# Altium PCB TOP.PcbDoc (part 2 of 2)
Units mil, origin at the board's own origin, x right, y up, seen from the top; angles counter-clockwise.
Board outline 5000 x 5000 mil, 4 copper layers (Top Layer, Mid-Layer 1, Mid-Layer 2, Bottom Layer); 94 components, 612 nets, 1905 pads, 0 vias.
Unrouted connection lines stored in the file: 1094.
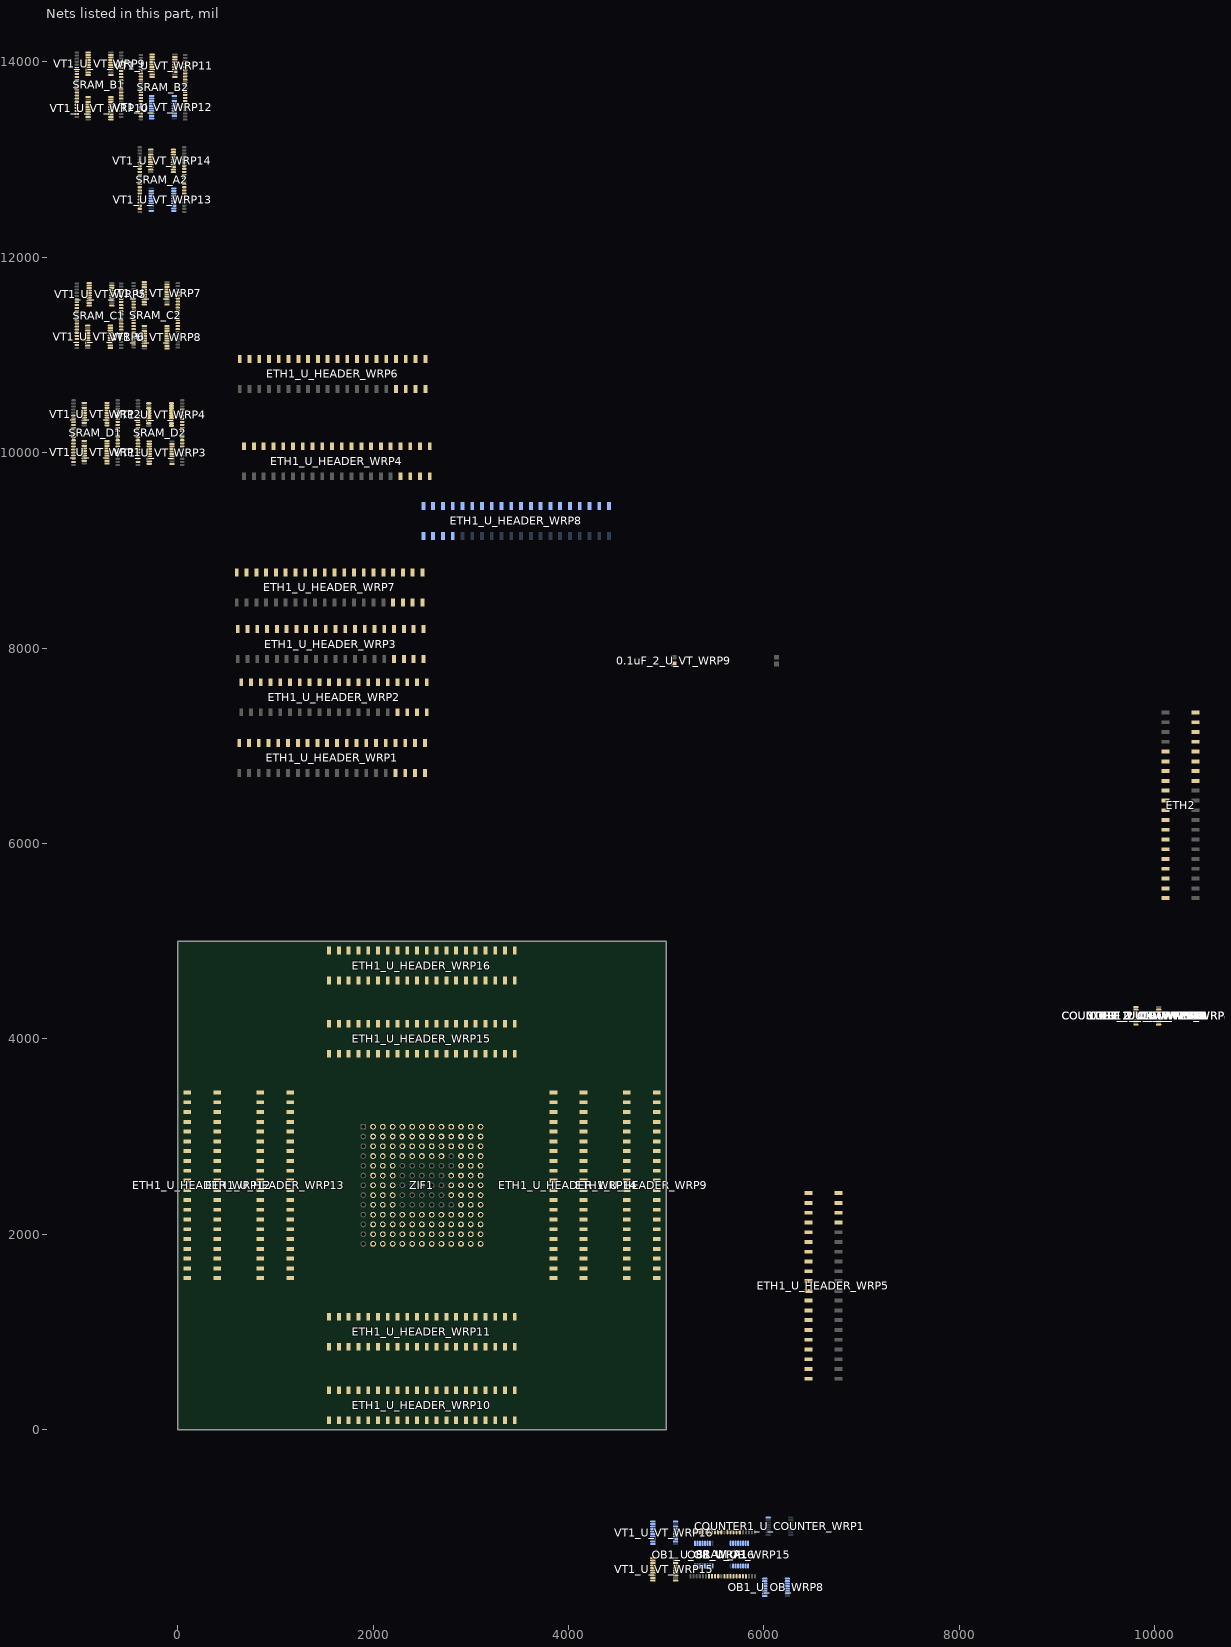
[diagram p2: the nets of this part, all layers, seen from the top]

## Nets (pads, with @x,y where several pads share a name; then routed paths per layer and width w, separated by ;. In a path a pad name is that pad's centre, name@x,y a point inside that pad or via, vN(x,y) a via of type N, cw(c..) or ccw(c..) an arc to the next point about the centre after c; other vN are vias at no path point) (continued)
GND: COUNTER1_U_COUNTER_WRP1.GND COUNTER1_U_COUNTER_WRP2.GND COUNTER1_U_COUNTER_WRP3.GND COUNTER1_U_COUNTER_WRP4.GND ETH1_U_HEADER_WRP1.17 ETH1_U_HEADER_WRP1.18 ETH1_U_HEADER_WRP1.19 ETH1_U_HEADER_WRP1.20 ETH1_U_HEADER_WRP1.21 ETH1_U_HEADER_WRP1.22 ETH1_U_HEADER_WRP1.23 ETH1_U_HEADER_WRP1.24 ETH1_U_HEADER_WRP2.17 ETH1_U_HEADER_WRP2.18 ETH1_U_HEADER_WRP2.19 ETH1_U_HEADER_WRP2.20 ETH1_U_HEADER_WRP2.21 ETH1_U_HEADER_WRP2.22 ETH1_U_HEADER_WRP2.23 ETH1_U_HEADER_WRP2.24 ETH1_U_HEADER_WRP3.17 ETH1_U_HEADER_WRP3.18 ETH1_U_HEADER_WRP3.19 ETH1_U_HEADER_WRP3.20 ETH1_U_HEADER_WRP3.21 ETH1_U_HEADER_WRP3.22 ETH1_U_HEADER_WRP3.23 ETH1_U_HEADER_WRP3.24 ETH1_U_HEADER_WRP4.17 ETH1_U_HEADER_WRP4.18 ETH1_U_HEADER_WRP4.19 ETH1_U_HEADER_WRP4.20 ETH1_U_HEADER_WRP4.21 ETH1_U_HEADER_WRP4.22 ETH1_U_HEADER_WRP4.23 ETH1_U_HEADER_WRP4.24 ETH1_U_HEADER_WRP5.17 ETH1_U_HEADER_WRP5.18 ETH1_U_HEADER_WRP5.19 ETH1_U_HEADER_WRP5.20 ETH1_U_HEADER_WRP5.21 ETH1_U_HEADER_WRP5.22 ETH1_U_HEADER_WRP5.23 ETH1_U_HEADER_WRP5.24 ETH1_U_HEADER_WRP6.17 ETH1_U_HEADER_WRP6.18 ETH1_U_HEADER_WRP6.19 ETH1_U_HEADER_WRP6.20 ETH1_U_HEADER_WRP6.21 ETH1_U_HEADER_WRP6.22 ETH1_U_HEADER_WRP6.23 ETH1_U_HEADER_WRP6.24 ETH1_U_HEADER_WRP7.17 ETH1_U_HEADER_WRP7.18 ETH1_U_HEADER_WRP7.19 ETH1_U_HEADER_WRP7.20 ETH1_U_HEADER_WRP7.21 ETH1_U_HEADER_WRP7.22 ETH1_U_HEADER_WRP7.23 ETH1_U_HEADER_WRP7.24 ETH1_U_HEADER_WRP8.17 ETH1_U_HEADER_WRP8.18 ETH1_U_HEADER_WRP8.19 ETH1_U_HEADER_WRP8.20 ETH1_U_HEADER_WRP8.21 ETH1_U_HEADER_WRP8.22 ETH1_U_HEADER_WRP8.23 ETH1_U_HEADER_WRP8.24 ETH1_U_HEADER_WRP9.17 ETH1_U_HEADER_WRP9.18 ETH1_U_HEADER_WRP9.19 ETH1_U_HEADER_WRP9.20 ETH1_U_HEADER_WRP9.21 ETH1_U_HEADER_WRP9.22 ETH1_U_HEADER_WRP9.23 ETH1_U_HEADER_WRP9.24 ETH1_U_HEADER_WRP10.17 ETH1_U_HEADER_WRP10.18 ETH1_U_HEADER_WRP10.19 ETH1_U_HEADER_WRP10.20 ETH1_U_HEADER_WRP10.21 ETH1_U_HEADER_WRP10.22 ETH1_U_HEADER_WRP10.23 ETH1_U_HEADER_WRP10.24 ETH1_U_HEADER_WRP11.17 ETH1_U_HEADER_WRP11.18 ETH1_U_HEADER_WRP11.19 ETH1_U_HEADER_WRP11.20 ETH1_U_HEADER_WRP11.21 ETH1_U_HEADER_WRP11.22 ETH1_U_HEADER_WRP11.23 ETH1_U_HEADER_WRP11.24 ETH1_U_HEADER_WRP12.17 ETH1_U_HEADER_WRP12.18 ETH1_U_HEADER_WRP12.19 ETH1_U_HEADER_WRP12.20 ETH1_U_HEADER_WRP12.21 ETH1_U_HEADER_WRP12.22 ETH1_U_HEADER_WRP12.23 ETH1_U_HEADER_WRP12.24 ETH1_U_HEADER_WRP13.17 ETH1_U_HEADER_WRP13.18 ETH1_U_HEADER_WRP13.19 ETH1_U_HEADER_WRP13.20 ETH1_U_HEADER_WRP13.21 ETH1_U_HEADER_WRP13.22 ETH1_U_HEADER_WRP13.23 ETH1_U_HEADER_WRP13.24 ETH1_U_HEADER_WRP14.17 ETH1_U_HEADER_WRP14.18 ETH1_U_HEADER_WRP14.19 ETH1_U_HEADER_WRP14.20 ETH1_U_HEADER_WRP14.21 ETH1_U_HEADER_WRP14.22 ETH1_U_HEADER_WRP14.23 ETH1_U_HEADER_WRP14.24 ETH1_U_HEADER_WRP15.17 ETH1_U_HEADER_WRP15.18 ETH1_U_HEADER_WRP15.19 ETH1_U_HEADER_WRP15.20 ETH1_U_HEADER_WRP15.21 ETH1_U_HEADER_WRP15.22 ETH1_U_HEADER_WRP15.23 ETH1_U_HEADER_WRP15.24 ETH1_U_HEADER_WRP16.17 ETH1_U_HEADER_WRP16.18 ETH1_U_HEADER_WRP16.19 ETH1_U_HEADER_WRP16.20 ETH1_U_HEADER_WRP16.21 ETH1_U_HEADER_WRP16.22 ETH1_U_HEADER_WRP16.23 ETH1_U_HEADER_WRP16.24 ETH2.14 ETH2.15 ETH2.16 ETH2.17 ETH2.18 ETH2.19 ETH2.20 ETH2.21 ETH2.22 ETH2.23 ETH2.24 ETH2.25 ETH2.26 ETH2.27 OB1_U_OB_WRP1.GND OB1_U_OB_WRP2.GND OB1_U_OB_WRP3.GND OB1_U_OB_WRP4.GND OB1_U_OB_WRP5.GND OB1_U_OB_WRP6.GND OB1_U_OB_WRP7.GND OB1_U_OB_WRP8.GND OB1_U_OB_WRP9.GND OB1_U_OB_WRP10.GND OB1_U_OB_WRP11.GND OB1_U_OB_WRP12.GND OB1_U_OB_WRP13.GND OB1_U_OB_WRP14.GND OB1_U_OB_WRP15.GND OB1_U_OB_WRP16.GND SRAM_A1.ADDR12 SRAM_A1.ADDR13 SRAM_A1.ADDR14 SRAM_A1.ADDR15 SRAM_A1.VSS SRAM_A1.~BHE SRAM_A1.~BLE SRAM_A2.ADDR12 SRAM_A2.ADDR13 SRAM_A2.ADDR14 SRAM_A2.ADDR15 SRAM_A2.VSS SRAM_A2.~BHE SRAM_A2.~BLE SRAM_B1.ADDR12 SRAM_B1.ADDR13 SRAM_B1.ADDR14 SRAM_B1.ADDR15 SRAM_B1.VSS SRAM_B1.~BHE SRAM_B1.~BLE SRAM_B2.ADDR12 SRAM_B2.ADDR13 SRAM_B2.ADDR14 SRAM_B2.ADDR15 SRAM_B2.VSS SRAM_B2.~BHE SRAM_B2.~BLE SRAM_C1.ADDR12 SRAM_C1.ADDR13 SRAM_C1.ADDR14 SRAM_C1.ADDR15 SRAM_C1.VSS SRAM_C1.~BHE SRAM_C1.~BLE SRAM_C2.ADDR12 SRAM_C2.ADDR13 SRAM_C2.ADDR14 SRAM_C2.ADDR15 SRAM_C2.VSS SRAM_C2.~BHE SRAM_C2.~BLE SRAM_D1.ADDR12 SRAM_D1.ADDR13 SRAM_D1.ADDR14 SRAM_D1.ADDR15 SRAM_D1.VSS SRAM_D1.~BHE SRAM_D1.~BLE SRAM_D2.ADDR12 SRAM_D2.ADDR13 SRAM_D2.ADDR14 SRAM_D2.ADDR15 SRAM_D2.VSS SRAM_D2.~BHE SRAM_D2.~BLE VT1_U_VT_WRP1.GND VT1_U_VT_WRP2.GND VT1_U_VT_WRP3.GND VT1_U_VT_WRP4.GND VT1_U_VT_WRP5.GND VT1_U_VT_WRP6.GND VT1_U_VT_WRP7.GND VT1_U_VT_WRP8.GND VT1_U_VT_WRP9.GND VT1_U_VT_WRP10.GND VT1_U_VT_WRP11.GND VT1_U_VT_WRP12.GND VT1_U_VT_WRP13.GND VT1_U_VT_WRP14.GND VT1_U_VT_WRP15.GND VT1_U_VT_WRP16.GND
INSIDE0: ETH1_U_HEADER_WRP16.40 VT1_U_VT_WRP16.IVCC0 ZIF1.1
INSIDE1: ETH1_U_HEADER_WRP16.39 VT1_U_VT_WRP16.IVCC1 ZIF1.2
INSIDE2: ETH1_U_HEADER_WRP16.38 VT1_U_VT_WRP16.IVCC2 ZIF1.3
INSIDE3: ETH1_U_HEADER_WRP16.37 VT1_U_VT_WRP16.IVCC3 ZIF1.4
INSIDE4: ETH1_U_HEADER_WRP16.36 VT1_U_VT_WRP16.IVCC4 ZIF1.5
INSIDE5: ETH1_U_HEADER_WRP16.35 VT1_U_VT_WRP16.IVCC5 ZIF1.6
INSIDE6: ETH1_U_HEADER_WRP16.34 VT1_U_VT_WRP16.IVCC6 ZIF1.7
INSIDE7: ETH1_U_HEADER_WRP16.33 VT1_U_VT_WRP16.IVCC7 ZIF1.8
INSIDE8: ETH1_U_HEADER_WRP16.32 VT1_U_VT_WRP15.IVCC0 ZIF1.9
INSIDE9: ETH1_U_HEADER_WRP16.31 VT1_U_VT_WRP15.IVCC1 ZIF1.10
INSIDE10: ETH1_U_HEADER_WRP16.30 VT1_U_VT_WRP15.IVCC2 ZIF1.11
INSIDE11: ETH1_U_HEADER_WRP16.29 VT1_U_VT_WRP15.IVCC3 ZIF1.12
INSIDE12: ETH1_U_HEADER_WRP16.28 VT1_U_VT_WRP15.IVCC4 ZIF1.13
INSIDE13: ETH1_U_HEADER_WRP16.27 VT1_U_VT_WRP15.IVCC5 ZIF1.14
INSIDE14: ETH1_U_HEADER_WRP16.26 VT1_U_VT_WRP15.IVCC6 ZIF1.15
INSIDE15: ETH1_U_HEADER_WRP16.25 VT1_U_VT_WRP15.IVCC7 ZIF1.16
INSIDE16: ETH1_U_HEADER_WRP15.40 VT1_U_VT_WRP14.IVCC0 ZIF1.17
INSIDE17: ETH1_U_HEADER_WRP15.39 VT1_U_VT_WRP14.IVCC1 ZIF1.18
INSIDE18: ETH1_U_HEADER_WRP15.38 VT1_U_VT_WRP14.IVCC2 ZIF1.19
INSIDE19: ETH1_U_HEADER_WRP15.37 VT1_U_VT_WRP14.IVCC3 ZIF1.20
INSIDE20: ETH1_U_HEADER_WRP15.36 VT1_U_VT_WRP14.IVCC4 ZIF1.21
INSIDE21: ETH1_U_HEADER_WRP15.35 VT1_U_VT_WRP14.IVCC5 ZIF1.22
INSIDE22: ETH1_U_HEADER_WRP15.34 VT1_U_VT_WRP14.IVCC6 ZIF1.23
INSIDE23: ETH1_U_HEADER_WRP15.33 VT1_U_VT_WRP14.IVCC7 ZIF1.24
INSIDE24: ETH1_U_HEADER_WRP15.32 VT1_U_VT_WRP13.IVCC0 ZIF1.25
INSIDE25: ETH1_U_HEADER_WRP15.31 VT1_U_VT_WRP13.IVCC1 ZIF1.26
INSIDE26: ETH1_U_HEADER_WRP15.30 VT1_U_VT_WRP13.IVCC2 ZIF1.27
INSIDE27: ETH1_U_HEADER_WRP15.29 VT1_U_VT_WRP13.IVCC3
INSIDE28: ETH1_U_HEADER_WRP15.28 VT1_U_VT_WRP13.IVCC4 ZIF1.29
INSIDE29: ETH1_U_HEADER_WRP15.27 VT1_U_VT_WRP13.IVCC5 ZIF1.30
INSIDE30: ETH1_U_HEADER_WRP15.26 VT1_U_VT_WRP13.IVCC6 ZIF1.31
INSIDE31: ETH1_U_HEADER_WRP15.25 VT1_U_VT_WRP13.IVCC7 ZIF1.32
INSIDE32: ETH1_U_HEADER_WRP14.40 VT1_U_VT_WRP12.IVCC0 ZIF1.33
INSIDE33: ETH1_U_HEADER_WRP14.39 VT1_U_VT_WRP12.IVCC1 ZIF1.34
INSIDE34: ETH1_U_HEADER_WRP14.38 VT1_U_VT_WRP12.IVCC2 ZIF1.35
INSIDE35: ETH1_U_HEADER_WRP14.37 VT1_U_VT_WRP12.IVCC3 ZIF1.36
INSIDE36: ETH1_U_HEADER_WRP14.36 VT1_U_VT_WRP12.IVCC4 ZIF1.37
INSIDE37: ETH1_U_HEADER_WRP14.35 VT1_U_VT_WRP12.IVCC5 ZIF1.38
INSIDE38: ETH1_U_HEADER_WRP14.34 VT1_U_VT_WRP12.IVCC6 ZIF1.39
INSIDE39: ETH1_U_HEADER_WRP14.33 VT1_U_VT_WRP12.IVCC7 ZIF1.40
INSIDE40: ETH1_U_HEADER_WRP14.32 VT1_U_VT_WRP11.IVCC0 ZIF1.41
INSIDE41: ETH1_U_HEADER_WRP14.31 VT1_U_VT_WRP11.IVCC1 ZIF1.42
INSIDE42: ETH1_U_HEADER_WRP14.30 VT1_U_VT_WRP11.IVCC2 ZIF1.43
INSIDE43: ETH1_U_HEADER_WRP14.29 VT1_U_VT_WRP11.IVCC3 ZIF1.44
INSIDE44: ETH1_U_HEADER_WRP14.28 VT1_U_VT_WRP11.IVCC4 ZIF1.45
INSIDE45: ETH1_U_HEADER_WRP14.27 VT1_U_VT_WRP11.IVCC5 ZIF1.46
INSIDE46: ETH1_U_HEADER_WRP14.26 VT1_U_VT_WRP11.IVCC6 ZIF1.47
INSIDE47: ETH1_U_HEADER_WRP14.25 VT1_U_VT_WRP11.IVCC7 ZIF1.48
INSIDE48: ETH1_U_HEADER_WRP13.40 VT1_U_VT_WRP10.IVCC0 ZIF1.49
INSIDE49: ETH1_U_HEADER_WRP13.39 VT1_U_VT_WRP10.IVCC1 ZIF1.50
INSIDE50: ETH1_U_HEADER_WRP13.38 VT1_U_VT_WRP10.IVCC2 ZIF1.51
INSIDE51: ETH1_U_HEADER_WRP13.37 VT1_U_VT_WRP10.IVCC3 ZIF1.52
INSIDE52: ETH1_U_HEADER_WRP13.36 VT1_U_VT_WRP10.IVCC4 ZIF1.53
INSIDE53: ETH1_U_HEADER_WRP13.35 VT1_U_VT_WRP10.IVCC5 ZIF1.54
INSIDE54: ETH1_U_HEADER_WRP13.34 VT1_U_VT_WRP10.IVCC6 ZIF1.55
INSIDE55: ETH1_U_HEADER_WRP13.33 VT1_U_VT_WRP10.IVCC7 ZIF1.56
INSIDE56: ETH1_U_HEADER_WRP13.32 VT1_U_VT_WRP9.IVCC0 ZIF1.57
INSIDE57: ETH1_U_HEADER_WRP13.31 VT1_U_VT_WRP9.IVCC1 ZIF1.58
INSIDE58: ETH1_U_HEADER_WRP13.30 VT1_U_VT_WRP9.IVCC2 ZIF1.59
INSIDE59: ETH1_U_HEADER_WRP13.29 VT1_U_VT_WRP9.IVCC3 ZIF1.60
INSIDE60: ETH1_U_HEADER_WRP13.28 VT1_U_VT_WRP9.IVCC4 ZIF1.61
INSIDE61: ETH1_U_HEADER_WRP13.27 VT1_U_VT_WRP9.IVCC5 ZIF1.62
INSIDE62: ETH1_U_HEADER_WRP13.26 VT1_U_VT_WRP9.IVCC6 ZIF1.63
INSIDE63: ETH1_U_HEADER_WRP13.25 VT1_U_VT_WRP9.IVCC7 ZIF1.64
INSIDE64: ETH1_U_HEADER_WRP12.40 VT1_U_VT_WRP8.IVCC0 ZIF1.65
INSIDE65: ETH1_U_HEADER_WRP12.39 VT1_U_VT_WRP8.IVCC1 ZIF1.66
INSIDE66: ETH1_U_HEADER_WRP12.38 VT1_U_VT_WRP8.IVCC2 ZIF1.67
INSIDE67: ETH1_U_HEADER_WRP12.37 VT1_U_VT_WRP8.IVCC3 ZIF1.68
INSIDE68: ETH1_U_HEADER_WRP12.36 VT1_U_VT_WRP8.IVCC4 ZIF1.69
INSIDE69: ETH1_U_HEADER_WRP12.35 VT1_U_VT_WRP8.IVCC5 ZIF1.70
INSIDE70: ETH1_U_HEADER_WRP12.34 VT1_U_VT_WRP8.IVCC6 ZIF1.71
INSIDE71: ETH1_U_HEADER_WRP12.33 VT1_U_VT_WRP8.IVCC7 ZIF1.72
INSIDE72: ETH1_U_HEADER_WRP12.32 VT1_U_VT_WRP7.IVCC0 ZIF1.73
INSIDE73: ETH1_U_HEADER_WRP12.31 VT1_U_VT_WRP7.IVCC1 ZIF1.74
INSIDE74: ETH1_U_HEADER_WRP12.30 VT1_U_VT_WRP7.IVCC2 ZIF1.75
INSIDE75: ETH1_U_HEADER_WRP12.29 VT1_U_VT_WRP7.IVCC3 ZIF1.76
INSIDE76: ETH1_U_HEADER_WRP12.28 VT1_U_VT_WRP7.IVCC4 ZIF1.77
INSIDE77: ETH1_U_HEADER_WRP12.27 VT1_U_VT_WRP7.IVCC5 ZIF1.78
INSIDE78: ETH1_U_HEADER_WRP12.26 VT1_U_VT_WRP7.IVCC6 ZIF1.79
INSIDE79: ETH1_U_HEADER_WRP12.25 VT1_U_VT_WRP7.IVCC7 ZIF1.80
INSIDE80: ETH1_U_HEADER_WRP11.40 VT1_U_VT_WRP6.IVCC0 ZIF1.81
INSIDE81: ETH1_U_HEADER_WRP11.39 VT1_U_VT_WRP6.IVCC1 ZIF1.82
INSIDE82: ETH1_U_HEADER_WRP11.38 VT1_U_VT_WRP6.IVCC2 ZIF1.83
INSIDE83: ETH1_U_HEADER_WRP11.37 VT1_U_VT_WRP6.IVCC3 ZIF1.84
INSIDE84: ETH1_U_HEADER_WRP11.36 VT1_U_VT_WRP6.IVCC4 ZIF1.85
INSIDE85: ETH1_U_HEADER_WRP11.35 VT1_U_VT_WRP6.IVCC5 ZIF1.86
INSIDE86: ETH1_U_HEADER_WRP11.34 VT1_U_VT_WRP6.IVCC6 ZIF1.87
INSIDE87: ETH1_U_HEADER_WRP11.33 VT1_U_VT_WRP6.IVCC7 ZIF1.88
INSIDE88: ETH1_U_HEADER_WRP11.32 VT1_U_VT_WRP5.IVCC0 ZIF1.89
INSIDE89: ETH1_U_HEADER_WRP11.31 VT1_U_VT_WRP5.IVCC1 ZIF1.90
INSIDE90: ETH1_U_HEADER_WRP11.30 VT1_U_VT_WRP5.IVCC2 ZIF1.91
INSIDE91: ETH1_U_HEADER_WRP11.29 VT1_U_VT_WRP5.IVCC3 ZIF1.92
INSIDE92: ETH1_U_HEADER_WRP11.28 VT1_U_VT_WRP5.IVCC4 ZIF1.93
INSIDE93: ETH1_U_HEADER_WRP11.27 VT1_U_VT_WRP5.IVCC5 ZIF1.94
INSIDE94: ETH1_U_HEADER_WRP11.26 VT1_U_VT_WRP5.IVCC6 ZIF1.95
INSIDE95: ETH1_U_HEADER_WRP11.25 VT1_U_VT_WRP5.IVCC7 ZIF1.96
INSIDE96: ETH1_U_HEADER_WRP10.40 VT1_U_VT_WRP4.IVCC0 ZIF1.97
INSIDE97: ETH1_U_HEADER_WRP10.39 VT1_U_VT_WRP4.IVCC1 ZIF1.98
INSIDE98: ETH1_U_HEADER_WRP10.38 VT1_U_VT_WRP4.IVCC2 ZIF1.99
INSIDE99: ETH1_U_HEADER_WRP10.37 VT1_U_VT_WRP4.IVCC3 ZIF1.100
INSIDE100: ETH1_U_HEADER_WRP10.36 VT1_U_VT_WRP4.IVCC4 ZIF1.101
INSIDE101: ETH1_U_HEADER_WRP10.35 VT1_U_VT_WRP4.IVCC5 ZIF1.102
INSIDE102: ETH1_U_HEADER_WRP10.34 VT1_U_VT_WRP4.IVCC6 ZIF1.103
INSIDE103: ETH1_U_HEADER_WRP10.33 VT1_U_VT_WRP4.IVCC7 ZIF1.104
INSIDE104: ETH1_U_HEADER_WRP10.32 VT1_U_VT_WRP3.IVCC0 ZIF1.105
INSIDE105: ETH1_U_HEADER_WRP10.31 VT1_U_VT_WRP3.IVCC1 ZIF1.106
INSIDE106: ETH1_U_HEADER_WRP10.30 VT1_U_VT_WRP3.IVCC2 ZIF1.107
INSIDE107: ETH1_U_HEADER_WRP10.29 VT1_U_VT_WRP3.IVCC3 ZIF1.108
INSIDE108: ETH1_U_HEADER_WRP10.28 VT1_U_VT_WRP3.IVCC4 ZIF1.109
INSIDE109: ETH1_U_HEADER_WRP10.27 VT1_U_VT_WRP3.IVCC5 ZIF1.110
INSIDE110: ETH1_U_HEADER_WRP10.26 VT1_U_VT_WRP3.IVCC6 ZIF1.111
INSIDE111: ETH1_U_HEADER_WRP10.25 VT1_U_VT_WRP3.IVCC7 ZIF1.112
INSIDE112: ETH1_U_HEADER_WRP9.40 VT1_U_VT_WRP2.IVCC0 ZIF1.113
INSIDE113: ETH1_U_HEADER_WRP9.39 VT1_U_VT_WRP2.IVCC1 ZIF1.114
INSIDE114: ETH1_U_HEADER_WRP9.38 VT1_U_VT_WRP2.IVCC2 ZIF1.115
INSIDE115: ETH1_U_HEADER_WRP9.37 VT1_U_VT_WRP2.IVCC3 ZIF1.116
INSIDE116: ETH1_U_HEADER_WRP9.36 VT1_U_VT_WRP2.IVCC4 ZIF1.117
INSIDE117: ETH1_U_HEADER_WRP9.35 VT1_U_VT_WRP2.IVCC5 ZIF1.118
INSIDE118: ETH1_U_HEADER_WRP9.34 VT1_U_VT_WRP2.IVCC6 ZIF1.119
INSIDE119: ETH1_U_HEADER_WRP9.33 VT1_U_VT_WRP2.IVCC7 ZIF1.120
INSIDE120: ETH1_U_HEADER_WRP9.32 VT1_U_VT_WRP1.IVCC0 ZIF1.121
INSIDE121: ETH1_U_HEADER_WRP9.31 VT1_U_VT_WRP1.IVCC1 ZIF1.122
INSIDE122: ETH1_U_HEADER_WRP9.30 VT1_U_VT_WRP1.IVCC2 ZIF1.123
INSIDE123: ETH1_U_HEADER_WRP9.29 VT1_U_VT_WRP1.IVCC3 ZIF1.124
INSIDE124: ETH1_U_HEADER_WRP9.28 VT1_U_VT_WRP1.IVCC4 ZIF1.125
INSIDE125: ETH1_U_HEADER_WRP9.27 VT1_U_VT_WRP1.IVCC5 ZIF1.126
INSIDE126: ETH1_U_HEADER_WRP9.26 VT1_U_VT_WRP1.IVCC6 ZIF1.127
INSIDE127: ETH1_U_HEADER_WRP9.25 VT1_U_VT_WRP1.IVCC7 ZIF1.128
INTERNAL0: ETH1_U_HEADER_WRP8.40 ETH1_U_HEADER_WRP16.1
INTERNAL1: ETH1_U_HEADER_WRP8.39 ETH1_U_HEADER_WRP16.2
INTERNAL2: ETH1_U_HEADER_WRP8.38 ETH1_U_HEADER_WRP16.3
INTERNAL3: ETH1_U_HEADER_WRP8.37 ETH1_U_HEADER_WRP16.4
INTERNAL4: ETH1_U_HEADER_WRP8.36 ETH1_U_HEADER_WRP16.5
INTERNAL5: ETH1_U_HEADER_WRP8.35 ETH1_U_HEADER_WRP16.6
INTERNAL6: ETH1_U_HEADER_WRP8.34 ETH1_U_HEADER_WRP16.7
INTERNAL7: ETH1_U_HEADER_WRP8.33 ETH1_U_HEADER_WRP16.8
INTERNAL8: ETH1_U_HEADER_WRP8.32 ETH1_U_HEADER_WRP16.9
INTERNAL9: ETH1_U_HEADER_WRP8.31 ETH1_U_HEADER_WRP16.10
INTERNAL10: ETH1_U_HEADER_WRP8.30 ETH1_U_HEADER_WRP16.11
INTERNAL11: ETH1_U_HEADER_WRP8.29 ETH1_U_HEADER_WRP16.12
INTERNAL12: ETH1_U_HEADER_WRP8.28 ETH1_U_HEADER_WRP16.13
INTERNAL13: ETH1_U_HEADER_WRP8.27 ETH1_U_HEADER_WRP16.14
INTERNAL14: ETH1_U_HEADER_WRP8.26 ETH1_U_HEADER_WRP16.15
INTERNAL15: ETH1_U_HEADER_WRP8.25 ETH1_U_HEADER_WRP16.16
INTERNAL16: ETH1_U_HEADER_WRP7.40 ETH1_U_HEADER_WRP15.1
INTERNAL17: ETH1_U_HEADER_WRP7.39 ETH1_U_HEADER_WRP15.2
INTERNAL18: ETH1_U_HEADER_WRP7.38 ETH1_U_HEADER_WRP15.3
INTERNAL19: ETH1_U_HEADER_WRP7.37 ETH1_U_HEADER_WRP15.4
INTERNAL20: ETH1_U_HEADER_WRP7.36 ETH1_U_HEADER_WRP15.5
INTERNAL21: ETH1_U_HEADER_WRP7.35 ETH1_U_HEADER_WRP15.6
INTERNAL22: ETH1_U_HEADER_WRP7.34 ETH1_U_HEADER_WRP15.7
INTERNAL23: ETH1_U_HEADER_WRP7.33 ETH1_U_HEADER_WRP15.8
INTERNAL24: ETH1_U_HEADER_WRP7.32 ETH1_U_HEADER_WRP15.9
INTERNAL25: ETH1_U_HEADER_WRP7.31 ETH1_U_HEADER_WRP15.10
INTERNAL26: ETH1_U_HEADER_WRP7.30 ETH1_U_HEADER_WRP15.11
INTERNAL27: ETH1_U_HEADER_WRP7.29 ETH1_U_HEADER_WRP15.12
INTERNAL28: ETH1_U_HEADER_WRP7.28 ETH1_U_HEADER_WRP15.13
INTERNAL29: ETH1_U_HEADER_WRP7.27 ETH1_U_HEADER_WRP15.14
INTERNAL30: ETH1_U_HEADER_WRP7.26 ETH1_U_HEADER_WRP15.15
INTERNAL31: ETH1_U_HEADER_WRP7.25 ETH1_U_HEADER_WRP15.16
INTERNAL32: ETH1_U_HEADER_WRP6.40 ETH1_U_HEADER_WRP14.1
INTERNAL33: ETH1_U_HEADER_WRP6.39 ETH1_U_HEADER_WRP14.2
INTERNAL34: ETH1_U_HEADER_WRP6.38 ETH1_U_HEADER_WRP14.3
INTERNAL35: ETH1_U_HEADER_WRP6.37 ETH1_U_HEADER_WRP14.4
INTERNAL36: ETH1_U_HEADER_WRP6.36 ETH1_U_HEADER_WRP14.5
INTERNAL37: ETH1_U_HEADER_WRP6.35 ETH1_U_HEADER_WRP14.6
INTERNAL38: ETH1_U_HEADER_WRP6.34 ETH1_U_HEADER_WRP14.7
INTERNAL39: ETH1_U_HEADER_WRP6.33 ETH1_U_HEADER_WRP14.8
INTERNAL40: ETH1_U_HEADER_WRP6.32 ETH1_U_HEADER_WRP14.9
INTERNAL41: ETH1_U_HEADER_WRP6.31 ETH1_U_HEADER_WRP14.10
INTERNAL42: ETH1_U_HEADER_WRP6.30 ETH1_U_HEADER_WRP14.11
INTERNAL43: ETH1_U_HEADER_WRP6.29 ETH1_U_HEADER_WRP14.12
INTERNAL44: ETH1_U_HEADER_WRP6.28 ETH1_U_HEADER_WRP14.13
INTERNAL45: ETH1_U_HEADER_WRP6.27 ETH1_U_HEADER_WRP14.14
INTERNAL46: ETH1_U_HEADER_WRP6.26 ETH1_U_HEADER_WRP14.15
INTERNAL47: ETH1_U_HEADER_WRP6.25 ETH1_U_HEADER_WRP14.16
INTERNAL48: ETH1_U_HEADER_WRP5.40 ETH1_U_HEADER_WRP13.1
INTERNAL49: ETH1_U_HEADER_WRP5.39 ETH1_U_HEADER_WRP13.2
INTERNAL50: ETH1_U_HEADER_WRP5.38 ETH1_U_HEADER_WRP13.3
INTERNAL51: ETH1_U_HEADER_WRP5.37 ETH1_U_HEADER_WRP13.4
INTERNAL52: ETH1_U_HEADER_WRP5.36 ETH1_U_HEADER_WRP13.5
INTERNAL53: ETH1_U_HEADER_WRP5.35 ETH1_U_HEADER_WRP13.6
INTERNAL54: ETH1_U_HEADER_WRP5.34 ETH1_U_HEADER_WRP13.7
INTERNAL55: ETH1_U_HEADER_WRP5.33 ETH1_U_HEADER_WRP13.8
INTERNAL56: ETH1_U_HEADER_WRP5.32 ETH1_U_HEADER_WRP13.9
INTERNAL57: ETH1_U_HEADER_WRP5.31 ETH1_U_HEADER_WRP13.10
INTERNAL58: ETH1_U_HEADER_WRP5.30 ETH1_U_HEADER_WRP13.11
INTERNAL59: ETH1_U_HEADER_WRP5.29 ETH1_U_HEADER_WRP13.12
INTERNAL60: ETH1_U_HEADER_WRP5.28 ETH1_U_HEADER_WRP13.13
INTERNAL61: ETH1_U_HEADER_WRP5.27 ETH1_U_HEADER_WRP13.14
INTERNAL62: ETH1_U_HEADER_WRP5.26 ETH1_U_HEADER_WRP13.15
INTERNAL63: ETH1_U_HEADER_WRP5.25 ETH1_U_HEADER_WRP13.16
INTERNAL64: ETH1_U_HEADER_WRP4.40 ETH1_U_HEADER_WRP12.1
INTERNAL65: ETH1_U_HEADER_WRP4.39 ETH1_U_HEADER_WRP12.2
INTERNAL66: ETH1_U_HEADER_WRP4.38 ETH1_U_HEADER_WRP12.3
INTERNAL67: ETH1_U_HEADER_WRP4.37 ETH1_U_HEADER_WRP12.4
INTERNAL68: ETH1_U_HEADER_WRP4.36 ETH1_U_HEADER_WRP12.5
INTERNAL69: ETH1_U_HEADER_WRP4.35 ETH1_U_HEADER_WRP12.6
INTERNAL70: ETH1_U_HEADER_WRP4.34 ETH1_U_HEADER_WRP12.7
INTERNAL71: ETH1_U_HEADER_WRP4.33 ETH1_U_HEADER_WRP12.8
INTERNAL72: ETH1_U_HEADER_WRP4.32 ETH1_U_HEADER_WRP12.9
INTERNAL73: ETH1_U_HEADER_WRP4.31 ETH1_U_HEADER_WRP12.10
INTERNAL74: ETH1_U_HEADER_WRP4.30 ETH1_U_HEADER_WRP12.11
INTERNAL75: ETH1_U_HEADER_WRP4.29 ETH1_U_HEADER_WRP12.12
INTERNAL76: ETH1_U_HEADER_WRP4.28 ETH1_U_HEADER_WRP12.13
INTERNAL77: ETH1_U_HEADER_WRP4.27 ETH1_U_HEADER_WRP12.14
INTERNAL78: ETH1_U_HEADER_WRP4.26 ETH1_U_HEADER_WRP12.15
INTERNAL79: ETH1_U_HEADER_WRP4.25 ETH1_U_HEADER_WRP12.16
INTERNAL80: ETH1_U_HEADER_WRP3.40 ETH1_U_HEADER_WRP11.1
INTERNAL81: ETH1_U_HEADER_WRP3.39 ETH1_U_HEADER_WRP11.2
INTERNAL82: ETH1_U_HEADER_WRP3.38 ETH1_U_HEADER_WRP11.3
INTERNAL83: ETH1_U_HEADER_WRP3.37 ETH1_U_HEADER_WRP11.4
INTERNAL84: ETH1_U_HEADER_WRP3.36 ETH1_U_HEADER_WRP11.5
INTERNAL85: ETH1_U_HEADER_WRP3.35 ETH1_U_HEADER_WRP11.6
INTERNAL86: ETH1_U_HEADER_WRP3.34 ETH1_U_HEADER_WRP11.7
INTERNAL87: ETH1_U_HEADER_WRP3.33 ETH1_U_HEADER_WRP11.8
INTERNAL88: ETH1_U_HEADER_WRP3.32 ETH1_U_HEADER_WRP11.9
INTERNAL89: ETH1_U_HEADER_WRP3.31 ETH1_U_HEADER_WRP11.10
INTERNAL90: ETH1_U_HEADER_WRP3.30 ETH1_U_HEADER_WRP11.11
INTERNAL91: ETH1_U_HEADER_WRP3.29 ETH1_U_HEADER_WRP11.12
INTERNAL92: ETH1_U_HEADER_WRP3.28 ETH1_U_HEADER_WRP11.13
INTERNAL93: ETH1_U_HEADER_WRP3.27 ETH1_U_HEADER_WRP11.14
INTERNAL94: ETH1_U_HEADER_WRP3.26 ETH1_U_HEADER_WRP11.15
INTERNAL95: ETH1_U_HEADER_WRP3.25 ETH1_U_HEADER_WRP11.16
INTERNAL96: ETH1_U_HEADER_WRP2.40 ETH1_U_HEADER_WRP10.1
INTERNAL97: ETH1_U_HEADER_WRP2.39 ETH1_U_HEADER_WRP10.2
INTERNAL98: ETH1_U_HEADER_WRP2.38 ETH1_U_HEADER_WRP10.3
INTERNAL99: ETH1_U_HEADER_WRP2.37 ETH1_U_HEADER_WRP10.4
INTERNAL100: ETH1_U_HEADER_WRP2.36 ETH1_U_HEADER_WRP10.5
INTERNAL101: ETH1_U_HEADER_WRP2.35 ETH1_U_HEADER_WRP10.6
INTERNAL102: ETH1_U_HEADER_WRP2.34 ETH1_U_HEADER_WRP10.7
INTERNAL103: ETH1_U_HEADER_WRP2.33 ETH1_U_HEADER_WRP10.8
INTERNAL104: ETH1_U_HEADER_WRP2.32 ETH1_U_HEADER_WRP10.9
INTERNAL105: ETH1_U_HEADER_WRP2.31 ETH1_U_HEADER_WRP10.10
INTERNAL106: ETH1_U_HEADER_WRP2.30 ETH1_U_HEADER_WRP10.11
INTERNAL107: ETH1_U_HEADER_WRP2.29 ETH1_U_HEADER_WRP10.12
INTERNAL108: ETH1_U_HEADER_WRP2.28 ETH1_U_HEADER_WRP10.13
INTERNAL109: ETH1_U_HEADER_WRP2.27 ETH1_U_HEADER_WRP10.14
INTERNAL110: ETH1_U_HEADER_WRP2.26 ETH1_U_HEADER_WRP10.15
INTERNAL111: ETH1_U_HEADER_WRP2.25 ETH1_U_HEADER_WRP10.16
INTERNAL112: ETH1_U_HEADER_WRP1.40 ETH1_U_HEADER_WRP9.1
INTERNAL113: ETH1_U_HEADER_WRP1.39 ETH1_U_HEADER_WRP9.2
INTERNAL114: ETH1_U_HEADER_WRP1.38 ETH1_U_HEADER_WRP9.3
INTERNAL115: ETH1_U_HEADER_WRP1.37 ETH1_U_HEADER_WRP9.4
INTERNAL116: ETH1_U_HEADER_WRP1.36 ETH1_U_HEADER_WRP9.5
INTERNAL117: ETH1_U_HEADER_WRP1.35 ETH1_U_HEADER_WRP9.6
INTERNAL118: ETH1_U_HEADER_WRP1.34 ETH1_U_HEADER_WRP9.7
INTERNAL119: ETH1_U_HEADER_WRP1.33 ETH1_U_HEADER_WRP9.8
INTERNAL120: ETH1_U_HEADER_WRP1.32 ETH1_U_HEADER_WRP9.9
INTERNAL121: ETH1_U_HEADER_WRP1.31 ETH1_U_HEADER_WRP9.10
INTERNAL122: ETH1_U_HEADER_WRP1.30 ETH1_U_HEADER_WRP9.11
INTERNAL123: ETH1_U_HEADER_WRP1.29 ETH1_U_HEADER_WRP9.12
INTERNAL124: ETH1_U_HEADER_WRP1.28 ETH1_U_HEADER_WRP9.13
INTERNAL125: ETH1_U_HEADER_WRP1.27 ETH1_U_HEADER_WRP9.14
INTERNAL126: ETH1_U_HEADER_WRP1.26 ETH1_U_HEADER_WRP9.15
INTERNAL127: ETH1_U_HEADER_WRP1.25 ETH1_U_HEADER_WRP9.16
NetOB1_U_OB_WRP16_DS: OB1_U_OB_WRP16.DS
OB_B_SHCP: ETH2.30 OB1_U_OB_WRP1.SHCP OB1_U_OB_WRP2.SHCP OB1_U_OB_WRP3.SHCP OB1_U_OB_WRP4.SHCP OB1_U_OB_WRP5.SHCP OB1_U_OB_WRP6.SHCP OB1_U_OB_WRP7.SHCP OB1_U_OB_WRP8.SHCP OB1_U_OB_WRP9.SHCP OB1_U_OB_WRP10.SHCP OB1_U_OB_WRP11.SHCP OB1_U_OB_WRP12.SHCP OB1_U_OB_WRP13.SHCP OB1_U_OB_WRP14.SHCP OB1_U_OB_WRP15.SHCP OB1_U_OB_WRP16.SHCP
OB_B_STCP: ETH2.31 OB1_U_OB_WRP1.STCP OB1_U_OB_WRP2.STCP OB1_U_OB_WRP3.STCP OB1_U_OB_WRP4.STCP OB1_U_OB_WRP5.STCP OB1_U_OB_WRP6.STCP OB1_U_OB_WRP7.STCP OB1_U_OB_WRP8.STCP OB1_U_OB_WRP9.STCP OB1_U_OB_WRP10.STCP OB1_U_OB_WRP11.STCP OB1_U_OB_WRP12.STCP OB1_U_OB_WRP13.STCP OB1_U_OB_WRP14.STCP OB1_U_OB_WRP15.STCP OB1_U_OB_WRP16.STCP
OB_B_~MR: ETH2.33 OB1_U_OB_WRP1.~MR OB1_U_OB_WRP2.~MR OB1_U_OB_WRP3.~MR OB1_U_OB_WRP4.~MR OB1_U_OB_WRP5.~MR OB1_U_OB_WRP6.~MR OB1_U_OB_WRP7.~MR OB1_U_OB_WRP8.~MR OB1_U_OB_WRP9.~MR OB1_U_OB_WRP10.~MR OB1_U_OB_WRP11.~MR OB1_U_OB_WRP12.~MR OB1_U_OB_WRP13.~MR OB1_U_OB_WRP14.~MR OB1_U_OB_WRP15.~MR OB1_U_OB_WRP16.~MR
OB_B_~PL: ETH2.32 OB1_U_OB_WRP1.~PL OB1_U_OB_WRP2.~PL OB1_U_OB_WRP3.~PL OB1_U_OB_WRP4.~PL OB1_U_OB_WRP5.~PL OB1_U_OB_WRP6.~PL OB1_U_OB_WRP7.~PL OB1_U_OB_WRP8.~PL OB1_U_OB_WRP9.~PL OB1_U_OB_WRP10.~PL OB1_U_OB_WRP11.~PL OB1_U_OB_WRP12.~PL OB1_U_OB_WRP13.~PL OB1_U_OB_WRP14.~PL OB1_U_OB_WRP15.~PL OB1_U_OB_WRP16.~PL
OB_D_B0: OB1_U_OB_WRP16.D0 SRAM_A1.DATA0 VT1_U_VT_WRP16.OVL0
OB_D_B1: OB1_U_OB_WRP16.D1 SRAM_A1.DATA1 VT1_U_VT_WRP16.OVL1
OB_D_B2: OB1_U_OB_WRP16.D2 SRAM_A1.DATA2 VT1_U_VT_WRP16.OVL2
OB_D_B3: OB1_U_OB_WRP16.D3 SRAM_A1.DATA3 VT1_U_VT_WRP16.OVL3
OB_D_B4: OB1_U_OB_WRP16.D4 SRAM_A1.DATA4 VT1_U_VT_WRP16.OVL4
OB_D_B5: OB1_U_OB_WRP16.D5 SRAM_A1.DATA5 VT1_U_VT_WRP16.OVL5
OB_D_B6: OB1_U_OB_WRP16.D6 SRAM_A1.DATA6 VT1_U_VT_WRP16.OVL6
OB_D_B7: OB1_U_OB_WRP16.D7 SRAM_A1.DATA7 VT1_U_VT_WRP16.OVL7
OB_D_B8: OB1_U_OB_WRP15.D0 SRAM_A1.DATA8 VT1_U_VT_WRP15.OVL0
OB_D_B9: OB1_U_OB_WRP15.D1 SRAM_A1.DATA9 VT1_U_VT_WRP15.OVL1
OB_D_B10: OB1_U_OB_WRP15.D2 SRAM_A1.DATA10 VT1_U_VT_WRP15.OVL2
OB_D_B11: OB1_U_OB_WRP15.D3 SRAM_A1.DATA11 VT1_U_VT_WRP15.OVL3
OB_D_B12: OB1_U_OB_WRP15.D4 SRAM_A1.DATA12 VT1_U_VT_WRP15.OVL4
OB_D_B13: OB1_U_OB_WRP15.D5 SRAM_A1.DATA13 VT1_U_VT_WRP15.OVL5
OB_D_B14: OB1_U_OB_WRP15.D6 SRAM_A1.DATA14 VT1_U_VT_WRP15.OVL6
OB_D_B15: OB1_U_OB_WRP15.D7 SRAM_A1.DATA15 VT1_U_VT_WRP15.OVL7
OB_D_B16: OB1_U_OB_WRP14.D0 SRAM_A2.DATA0 VT1_U_VT_WRP14.OVL0
OB_D_B17: OB1_U_OB_WRP14.D1 SRAM_A2.DATA1 VT1_U_VT_WRP14.OVL1
OB_D_B18: OB1_U_OB_WRP14.D2 SRAM_A2.DATA2 VT1_U_VT_WRP14.OVL2
OB_D_B19: OB1_U_OB_WRP14.D3 SRAM_A2.DATA3 VT1_U_VT_WRP14.OVL3
OB_D_B20: OB1_U_OB_WRP14.D4 SRAM_A2.DATA4 VT1_U_VT_WRP14.OVL4
OB_D_B21: OB1_U_OB_WRP14.D5 SRAM_A2.DATA5 VT1_U_VT_WRP14.OVL5
OB_D_B22: OB1_U_OB_WRP14.D6 SRAM_A2.DATA6 VT1_U_VT_WRP14.OVL6
OB_D_B23: OB1_U_OB_WRP14.D7 SRAM_A2.DATA7 VT1_U_VT_WRP14.OVL7
OB_D_B24: OB1_U_OB_WRP13.D0 SRAM_A2.DATA8 VT1_U_VT_WRP13.OVL0
OB_D_B25: OB1_U_OB_WRP13.D1 SRAM_A2.DATA9 VT1_U_VT_WRP13.OVL1
OB_D_B26: OB1_U_OB_WRP13.D2 SRAM_A2.DATA10 VT1_U_VT_WRP13.OVL2
OB_D_B27: OB1_U_OB_WRP13.D3 SRAM_A2.DATA11 VT1_U_VT_WRP13.OVL3
OB_D_B28: OB1_U_OB_WRP13.D4 SRAM_A2.DATA12 VT1_U_VT_WRP13.OVL4
OB_D_B29: OB1_U_OB_WRP13.D5 SRAM_A2.DATA13 VT1_U_VT_WRP13.OVL5
OB_D_B30: OB1_U_OB_WRP13.D6 SRAM_A2.DATA14 VT1_U_VT_WRP13.OVL6
OB_D_B31: OB1_U_OB_WRP13.D7 SRAM_A2.DATA15 VT1_U_VT_WRP13.OVL7
OB_D_B32: OB1_U_OB_WRP12.D0 SRAM_B2.DATA0 VT1_U_VT_WRP12.OVL0
OB_D_B33: OB1_U_OB_WRP12.D1 SRAM_B2.DATA1 VT1_U_VT_WRP12.OVL1
OB_D_B34: OB1_U_OB_WRP12.D2 SRAM_B2.DATA2 VT1_U_VT_WRP12.OVL2
OB_D_B35: OB1_U_OB_WRP12.D3 SRAM_B2.DATA3 VT1_U_VT_WRP12.OVL3
OB_D_B36: OB1_U_OB_WRP12.D4 SRAM_B2.DATA4 VT1_U_VT_WRP12.OVL4
OB_D_B37: OB1_U_OB_WRP12.D5 SRAM_B2.DATA5 VT1_U_VT_WRP12.OVL5
OB_D_B38: OB1_U_OB_WRP12.D6 SRAM_B2.DATA6 VT1_U_VT_WRP12.OVL6
OB_D_B39: OB1_U_OB_WRP12.D7 SRAM_B2.DATA7 VT1_U_VT_WRP12.OVL7
OB_D_B40: OB1_U_OB_WRP11.D0 SRAM_B2.DATA8 VT1_U_VT_WRP11.OVL0
OB_D_B41: OB1_U_OB_WRP11.D1 SRAM_B2.DATA9 VT1_U_VT_WRP11.OVL1
OB_D_B42: OB1_U_OB_WRP11.D2 SRAM_B2.DATA10 VT1_U_VT_WRP11.OVL2
OB_D_B43: OB1_U_OB_WRP11.D3 SRAM_B2.DATA11 VT1_U_VT_WRP11.OVL3
OB_D_B44: OB1_U_OB_WRP11.D4 SRAM_B2.DATA12 VT1_U_VT_WRP11.OVL4
OB_D_B45: OB1_U_OB_WRP11.D5 SRAM_B2.DATA13 VT1_U_VT_WRP11.OVL5
OB_D_B46: OB1_U_OB_WRP11.D6 SRAM_B2.DATA14 VT1_U_VT_WRP11.OVL6
OB_D_B47: OB1_U_OB_WRP11.D7 SRAM_B2.DATA15 VT1_U_VT_WRP11.OVL7
OB_D_B48: OB1_U_OB_WRP10.D0 SRAM_B1.DATA0 VT1_U_VT_WRP10.OVL0
OB_D_B49: OB1_U_OB_WRP10.D1 SRAM_B1.DATA1 VT1_U_VT_WRP10.OVL1
OB_D_B50: OB1_U_OB_WRP10.D2 SRAM_B1.DATA2 VT1_U_VT_WRP10.OVL2
OB_D_B51: OB1_U_OB_WRP10.D3 SRAM_B1.DATA3 VT1_U_VT_WRP10.OVL3
OB_D_B52: OB1_U_OB_WRP10.D4 SRAM_B1.DATA4 VT1_U_VT_WRP10.OVL4
OB_D_B53: OB1_U_OB_WRP10.D5 SRAM_B1.DATA5 VT1_U_VT_WRP10.OVL5
OB_D_B54: OB1_U_OB_WRP10.D6 SRAM_B1.DATA6 VT1_U_VT_WRP10.OVL6
OB_D_B55: OB1_U_OB_WRP10.D7 SRAM_B1.DATA7 VT1_U_VT_WRP10.OVL7
OB_D_B56: OB1_U_OB_WRP9.D0 SRAM_B1.DATA8 VT1_U_VT_WRP9.OVL0
OB_D_B57: OB1_U_OB_WRP9.D1 SRAM_B1.DATA9 VT1_U_VT_WRP9.OVL1
OB_D_B58: OB1_U_OB_WRP9.D2 SRAM_B1.DATA10 VT1_U_VT_WRP9.OVL2
OB_D_B59: OB1_U_OB_WRP9.D3 SRAM_B1.DATA11 VT1_U_VT_WRP9.OVL3
OB_D_B60: OB1_U_OB_WRP9.D4 SRAM_B1.DATA12 VT1_U_VT_WRP9.OVL4
OB_D_B61: OB1_U_OB_WRP9.D5 SRAM_B1.DATA13 VT1_U_VT_WRP9.OVL5
OB_D_B62: OB1_U_OB_WRP9.D6 SRAM_B1.DATA14 VT1_U_VT_WRP9.OVL6
OB_D_B63: OB1_U_OB_WRP9.D7 SRAM_B1.DATA15 VT1_U_VT_WRP9.OVL7
OB_D_B64: OB1_U_OB_WRP8.D0 SRAM_C2.DATA0 VT1_U_VT_WRP8.OVL0
OB_D_B65: OB1_U_OB_WRP8.D1 SRAM_C2.DATA1 VT1_U_VT_WRP8.OVL1
OB_D_B66: OB1_U_OB_WRP8.D2 SRAM_C2.DATA2 VT1_U_VT_WRP8.OVL2
OB_D_B67: OB1_U_OB_WRP8.D3 SRAM_C2.DATA3 VT1_U_VT_WRP8.OVL3
OB_D_B68: OB1_U_OB_WRP8.D4 SRAM_C2.DATA4 VT1_U_VT_WRP8.OVL4
OB_D_B69: OB1_U_OB_WRP8.D5 SRAM_C2.DATA5 VT1_U_VT_WRP8.OVL5
OB_D_B70: OB1_U_OB_WRP8.D6 SRAM_C2.DATA6 VT1_U_VT_WRP8.OVL6
OB_D_B71: OB1_U_OB_WRP8.D7 SRAM_C2.DATA7 VT1_U_VT_WRP8.OVL7
OB_D_B72: OB1_U_OB_WRP7.D0 SRAM_C2.DATA8 VT1_U_VT_WRP7.OVL0
OB_D_B73: OB1_U_OB_WRP7.D1 SRAM_C2.DATA9 VT1_U_VT_WRP7.OVL1
OB_D_B74: OB1_U_OB_WRP7.D2 SRAM_C2.DATA10 VT1_U_VT_WRP7.OVL2
OB_D_B75: OB1_U_OB_WRP7.D3 SRAM_C2.DATA11 VT1_U_VT_WRP7.OVL3
OB_D_B76: OB1_U_OB_WRP7.D4 SRAM_C2.DATA12 VT1_U_VT_WRP7.OVL4
OB_D_B77: OB1_U_OB_WRP7.D5 SRAM_C2.DATA13 VT1_U_VT_WRP7.OVL5
OB_D_B78: OB1_U_OB_WRP7.D6 SRAM_C2.DATA14 VT1_U_VT_WRP7.OVL6
OB_D_B79: OB1_U_OB_WRP7.D7 SRAM_C2.DATA15 VT1_U_VT_WRP7.OVL7
OB_D_B80: OB1_U_OB_WRP6.D0 SRAM_C1.DATA0 VT1_U_VT_WRP6.OVL0
OB_D_B81: OB1_U_OB_WRP6.D1 SRAM_C1.DATA1 VT1_U_VT_WRP6.OVL1
OB_D_B82: OB1_U_OB_WRP6.D2 SRAM_C1.DATA2 VT1_U_VT_WRP6.OVL2
OB_D_B83: OB1_U_OB_WRP6.D3 SRAM_C1.DATA3 VT1_U_VT_WRP6.OVL3
OB_D_B84: OB1_U_OB_WRP6.D4 SRAM_C1.DATA4 VT1_U_VT_WRP6.OVL4
OB_D_B85: OB1_U_OB_WRP6.D5 SRAM_C1.DATA5 VT1_U_VT_WRP6.OVL5
OB_D_B86: OB1_U_OB_WRP6.D6 SRAM_C1.DATA6 VT1_U_VT_WRP6.OVL6
OB_D_B87: OB1_U_OB_WRP6.D7 SRAM_C1.DATA7 VT1_U_VT_WRP6.OVL7
OB_D_B88: OB1_U_OB_WRP5.D0 SRAM_C1.DATA8 VT1_U_VT_WRP5.OVL0
OB_D_B89: OB1_U_OB_WRP5.D1 SRAM_C1.DATA9 VT1_U_VT_WRP5.OVL1
OB_D_B90: OB1_U_OB_WRP5.D2 SRAM_C1.DATA10 VT1_U_VT_WRP5.OVL2
OB_D_B91: OB1_U_OB_WRP5.D3 SRAM_C1.DATA11 VT1_U_VT_WRP5.OVL3
OB_D_B92: OB1_U_OB_WRP5.D4 SRAM_C1.DATA12 VT1_U_VT_WRP5.OVL4
OB_D_B93: OB1_U_OB_WRP5.D5 SRAM_C1.DATA13 VT1_U_VT_WRP5.OVL5
OB_D_B94: OB1_U_OB_WRP5.D6 SRAM_C1.DATA14 VT1_U_VT_WRP5.OVL6
OB_D_B95: OB1_U_OB_WRP5.D7 SRAM_C1.DATA15 VT1_U_VT_WRP5.OVL7
OB_D_B96: OB1_U_OB_WRP4.D0 SRAM_D2.DATA0 VT1_U_VT_WRP4.OVL0
OB_D_B97: OB1_U_OB_WRP4.D1 SRAM_D2.DATA1 VT1_U_VT_WRP4.OVL1
OB_D_B98: OB1_U_OB_WRP4.D2 SRAM_D2.DATA2 VT1_U_VT_WRP4.OVL2
OB_D_B99: OB1_U_OB_WRP4.D3 SRAM_D2.DATA3 VT1_U_VT_WRP4.OVL3
OB_D_B100: OB1_U_OB_WRP4.D4 SRAM_D2.DATA4 VT1_U_VT_WRP4.OVL4
OB_D_B101: OB1_U_OB_WRP4.D5 SRAM_D2.DATA5 VT1_U_VT_WRP4.OVL5
OB_D_B102: OB1_U_OB_WRP4.D6 SRAM_D2.DATA6 VT1_U_VT_WRP4.OVL6
OB_D_B103: OB1_U_OB_WRP4.D7 SRAM_D2.DATA7 VT1_U_VT_WRP4.OVL7
OB_D_B104: OB1_U_OB_WRP3.D0 SRAM_D2.DATA8 VT1_U_VT_WRP3.OVL0
OB_D_B105: OB1_U_OB_WRP3.D1 SRAM_D2.DATA9 VT1_U_VT_WRP3.OVL1
OB_D_B106: OB1_U_OB_WRP3.D2 SRAM_D2.DATA10 VT1_U_VT_WRP3.OVL2
OB_D_B107: OB1_U_OB_WRP3.D3 SRAM_D2.DATA11 VT1_U_VT_WRP3.OVL3
OB_D_B108: OB1_U_OB_WRP3.D4 SRAM_D2.DATA12 VT1_U_VT_WRP3.OVL4
OB_D_B109: OB1_U_OB_WRP3.D5 SRAM_D2.DATA13 VT1_U_VT_WRP3.OVL5
OB_D_B110: OB1_U_OB_WRP3.D6 SRAM_D2.DATA14 VT1_U_VT_WRP3.OVL6
OB_D_B111: OB1_U_OB_WRP3.D7 SRAM_D2.DATA15 VT1_U_VT_WRP3.OVL7
OB_D_B112: OB1_U_OB_WRP2.D0 SRAM_D1.DATA0 VT1_U_VT_WRP2.OVL0
OB_D_B113: OB1_U_OB_WRP2.D1 SRAM_D1.DATA1 VT1_U_VT_WRP2.OVL1
OB_D_B114: OB1_U_OB_WRP2.D2 SRAM_D1.DATA2 VT1_U_VT_WRP2.OVL2
OB_D_B115: OB1_U_OB_WRP2.D3 SRAM_D1.DATA3 VT1_U_VT_WRP2.OVL3
OB_D_B116: OB1_U_OB_WRP2.D4 SRAM_D1.DATA4 VT1_U_VT_WRP2.OVL4
OB_D_B117: OB1_U_OB_WRP2.D5 SRAM_D1.DATA5 VT1_U_VT_WRP2.OVL5
OB_D_B118: OB1_U_OB_WRP2.D6 SRAM_D1.DATA6 VT1_U_VT_WRP2.OVL6
OB_D_B119: OB1_U_OB_WRP2.D7 SRAM_D1.DATA7 VT1_U_VT_WRP2.OVL7
OB_D_B120: OB1_U_OB_WRP1.D0 SRAM_D1.DATA8 VT1_U_VT_WRP1.OVL0
OB_D_B121: OB1_U_OB_WRP1.D1 SRAM_D1.DATA9 VT1_U_VT_WRP1.OVL1
OB_D_B122: OB1_U_OB_WRP1.D2 SRAM_D1.DATA10 VT1_U_VT_WRP1.OVL2
OB_D_B123: OB1_U_OB_WRP1.D3 SRAM_D1.DATA11 VT1_U_VT_WRP1.OVL3
OB_D_B124: OB1_U_OB_WRP1.D4 SRAM_D1.DATA12 VT1_U_VT_WRP1.OVL4
OB_D_B125: OB1_U_OB_WRP1.D5 SRAM_D1.DATA13 VT1_U_VT_WRP1.OVL5
OB_D_B126: OB1_U_OB_WRP1.D6 SRAM_D1.DATA14 VT1_U_VT_WRP1.OVL6
OB_D_B127: OB1_U_OB_WRP1.D7 SRAM_D1.DATA15 VT1_U_VT_WRP1.OVL7
OB_OUT_B: ETH2.29 OB1_U_OB_WRP1.Q
Q_FPGA: ETH2.13
SER0: OB1_U_OB_WRP15.DS OB1_U_OB_WRP16.Q
SER1: OB1_U_OB_WRP14.DS OB1_U_OB_WRP15.Q
SER2: OB1_U_OB_WRP13.DS OB1_U_OB_WRP14.Q
SER3: OB1_U_OB_WRP12.DS OB1_U_OB_WRP13.Q
SER4: OB1_U_OB_WRP11.DS OB1_U_OB_WRP12.Q
SER5: OB1_U_OB_WRP10.DS OB1_U_OB_WRP11.Q
SER6: OB1_U_OB_WRP9.DS OB1_U_OB_WRP10.Q
SER7: OB1_U_OB_WRP8.DS OB1_U_OB_WRP9.Q
SER8: OB1_U_OB_WRP7.DS OB1_U_OB_WRP8.Q
SER9: OB1_U_OB_WRP6.DS OB1_U_OB_WRP7.Q
SER10: OB1_U_OB_WRP5.DS OB1_U_OB_WRP6.Q
SER11: OB1_U_OB_WRP4.DS OB1_U_OB_WRP5.Q
SER12: OB1_U_OB_WRP3.DS OB1_U_OB_WRP4.Q
SER13: OB1_U_OB_WRP2.DS OB1_U_OB_WRP3.Q
SER14: OB1_U_OB_WRP1.DS OB1_U_OB_WRP2.Q
SRAM_3V3_W_U_SRAM_WRP1: 
SRAM_3V3_W_U_SRAM_WRP2: 
SRAM_3V3_W_U_SRAM_WRP3: 
SRAM_3V3_W_U_SRAM_WRP4: 
SRAM_3V3_W_U_SRAM_WRP5: 
SRAM_3V3_W_U_SRAM_WRP6: 
SRAM_3V3_W_U_SRAM_WRP7: 
SRAM_3V3_W_U_SRAM_WRP8: 
SRAM_~CS_B: ETH2.36 SRAM_A1.~CS SRAM_A2.~CS SRAM_B1.~CS SRAM_B2.~CS SRAM_C1.~CS SRAM_C2.~CS SRAM_D1.~CS SRAM_D2.~CS
SRAM_~OE_B: ETH2.35 SRAM_A1.~OE SRAM_A2.~OE SRAM_B1.~OE SRAM_B2.~OE SRAM_C1.~OE SRAM_C2.~OE SRAM_D1.~OE SRAM_D2.~OE
SRAM_~WE_B: ETH2.34 SRAM_A1.~WE SRAM_A2.~WE SRAM_B1.~WE SRAM_B2.~WE SRAM_C1.~WE SRAM_C2.~WE SRAM_D1.~WE SRAM_D2.~WE
VCC: 0.1uF_2_U_VT_WRP1.1 0.1uF_2_U_VT_WRP2.1 0.1uF_2_U_VT_WRP3.1 0.1uF_2_U_VT_WRP4.1 0.1uF_2_U_VT_WRP5.1 0.1uF_2_U_VT_WRP6.1 0.1uF_2_U_VT_WRP7.1 0.1uF_2_U_VT_WRP8.1 0.1uF_2_U_VT_WRP9.1 0.1uF_2_U_VT_WRP10.1 0.1uF_2_U_VT_WRP11.1 0.1uF_2_U_VT_WRP12.1 0.1uF_2_U_VT_WRP13.1 0.1uF_2_U_VT_WRP14.1 0.1uF_2_U_VT_WRP15.1 0.1uF_2_U_VT_WRP16.1 ETH2.28 VT1_U_VT_WRP1.VCC VT1_U_VT_WRP2.VCC VT1_U_VT_WRP3.VCC VT1_U_VT_WRP4.VCC VT1_U_VT_WRP5.VCC VT1_U_VT_WRP6.VCC VT1_U_VT_WRP7.VCC VT1_U_VT_WRP8.VCC VT1_U_VT_WRP9.VCC VT1_U_VT_WRP10.VCC VT1_U_VT_WRP11.VCC VT1_U_VT_WRP12.VCC VT1_U_VT_WRP13.VCC VT1_U_VT_WRP14.VCC VT1_U_VT_WRP15.VCC VT1_U_VT_WRP16.VCC
ZIFBUS27\: ZIF1.28
pads on no net: 0.1uF_1_U_VT_WRP1.2 0.1uF_1_U_VT_WRP2.2 0.1uF_1_U_VT_WRP3.2 0.1uF_1_U_VT_WRP4.2 0.1uF_1_U_VT_WRP5.2 0.1uF_1_U_VT_WRP6.2 0.1uF_1_U_VT_WRP7.2 0.1uF_1_U_VT_WRP8.2 0.1uF_1_U_VT_WRP9.2 0.1uF_1_U_VT_WRP10.2 0.1uF_1_U_VT_WRP11.2 0.1uF_1_U_VT_WRP12.2 0.1uF_1_U_VT_WRP13.2 0.1uF_1_U_VT_WRP14.2 0.1uF_1_U_VT_WRP15.2 0.1uF_1_U_VT_WRP16.2 0.1uF_2_U_VT_WRP1.2 0.1uF_2_U_VT_WRP2.2 0.1uF_2_U_VT_WRP3.2 0.1uF_2_U_VT_WRP4.2 0.1uF_2_U_VT_WRP5.2 0.1uF_2_U_VT_WRP6.2 0.1uF_2_U_VT_WRP7.2 0.1uF_2_U_VT_WRP8.2 0.1uF_2_U_VT_WRP9.2 0.1uF_2_U_VT_WRP10.2 0.1uF_2_U_VT_WRP11.2 0.1uF_2_U_VT_WRP12.2 0.1uF_2_U_VT_WRP13.2 0.1uF_2_U_VT_WRP14.2 0.1uF_2_U_VT_WRP15.2 0.1uF_2_U_VT_WRP16.2 SRAM_A1.NC1 SRAM_A1.NC2 SRAM_A1.NC3 SRAM_A2.NC1 SRAM_A2.NC2 SRAM_A2.NC3 SRAM_B1.NC1 SRAM_B1.NC2 SRAM_B1.NC3 SRAM_B2.NC1 SRAM_B2.NC2 SRAM_B2.NC3 SRAM_C1.NC1 SRAM_C1.NC2 SRAM_C1.NC3 SRAM_C2.NC1 SRAM_C2.NC2 SRAM_C2.NC3 SRAM_D1.NC1 SRAM_D1.NC2 SRAM_D1.NC3 SRAM_D2.NC1 SRAM_D2.NC2 SRAM_D2.NC3 ZIF1.129 ZIF1.130 ZIF1.131 ZIF1.132 ZIF1.133 ZIF1.134 ZIF1.135 ZIF1.136 ZIF1.137 ZIF1.138 ZIF1.139 ZIF1.140 ZIF1.141 ZIF1.142 ZIF1.143 ZIF1.144 ZIF1.145 ZIF1.146 ZIF1.147 ZIF1.148 ZIF1.149 ZIF1.150 ZIF1.151 ZIF1.152 ZIF1.153 ZIF1.154 ZIF1.155 ZIF1.156 ZIF1.157 ZIF1.158 ZIF1.159 ZIF1.160 ZIF1.161 ZIF1.162 ZIF1.163 ZIF1.164 ZIF1.165 ZIF1.166 ZIF1.167 ZIF1.168 ZIF1.169